# Altium PCB Board.PcbDoc (part 8 of 8)
Units mil, origin at the board's own origin, x right, y up, seen from the top; angles counter-clockwise.
Board outline 2740.16 x 1181.1 mil, 6 copper layers (Top Layer, Int1 (GND), Int2 (Sign), Int3 (Sign), Int4 (PWR), Bottom Layer), stack 60.567 mil thick; 167 components, 261 nets, 1353 pads, 681 vias.
Unrouted connection lines stored in the file: 23.
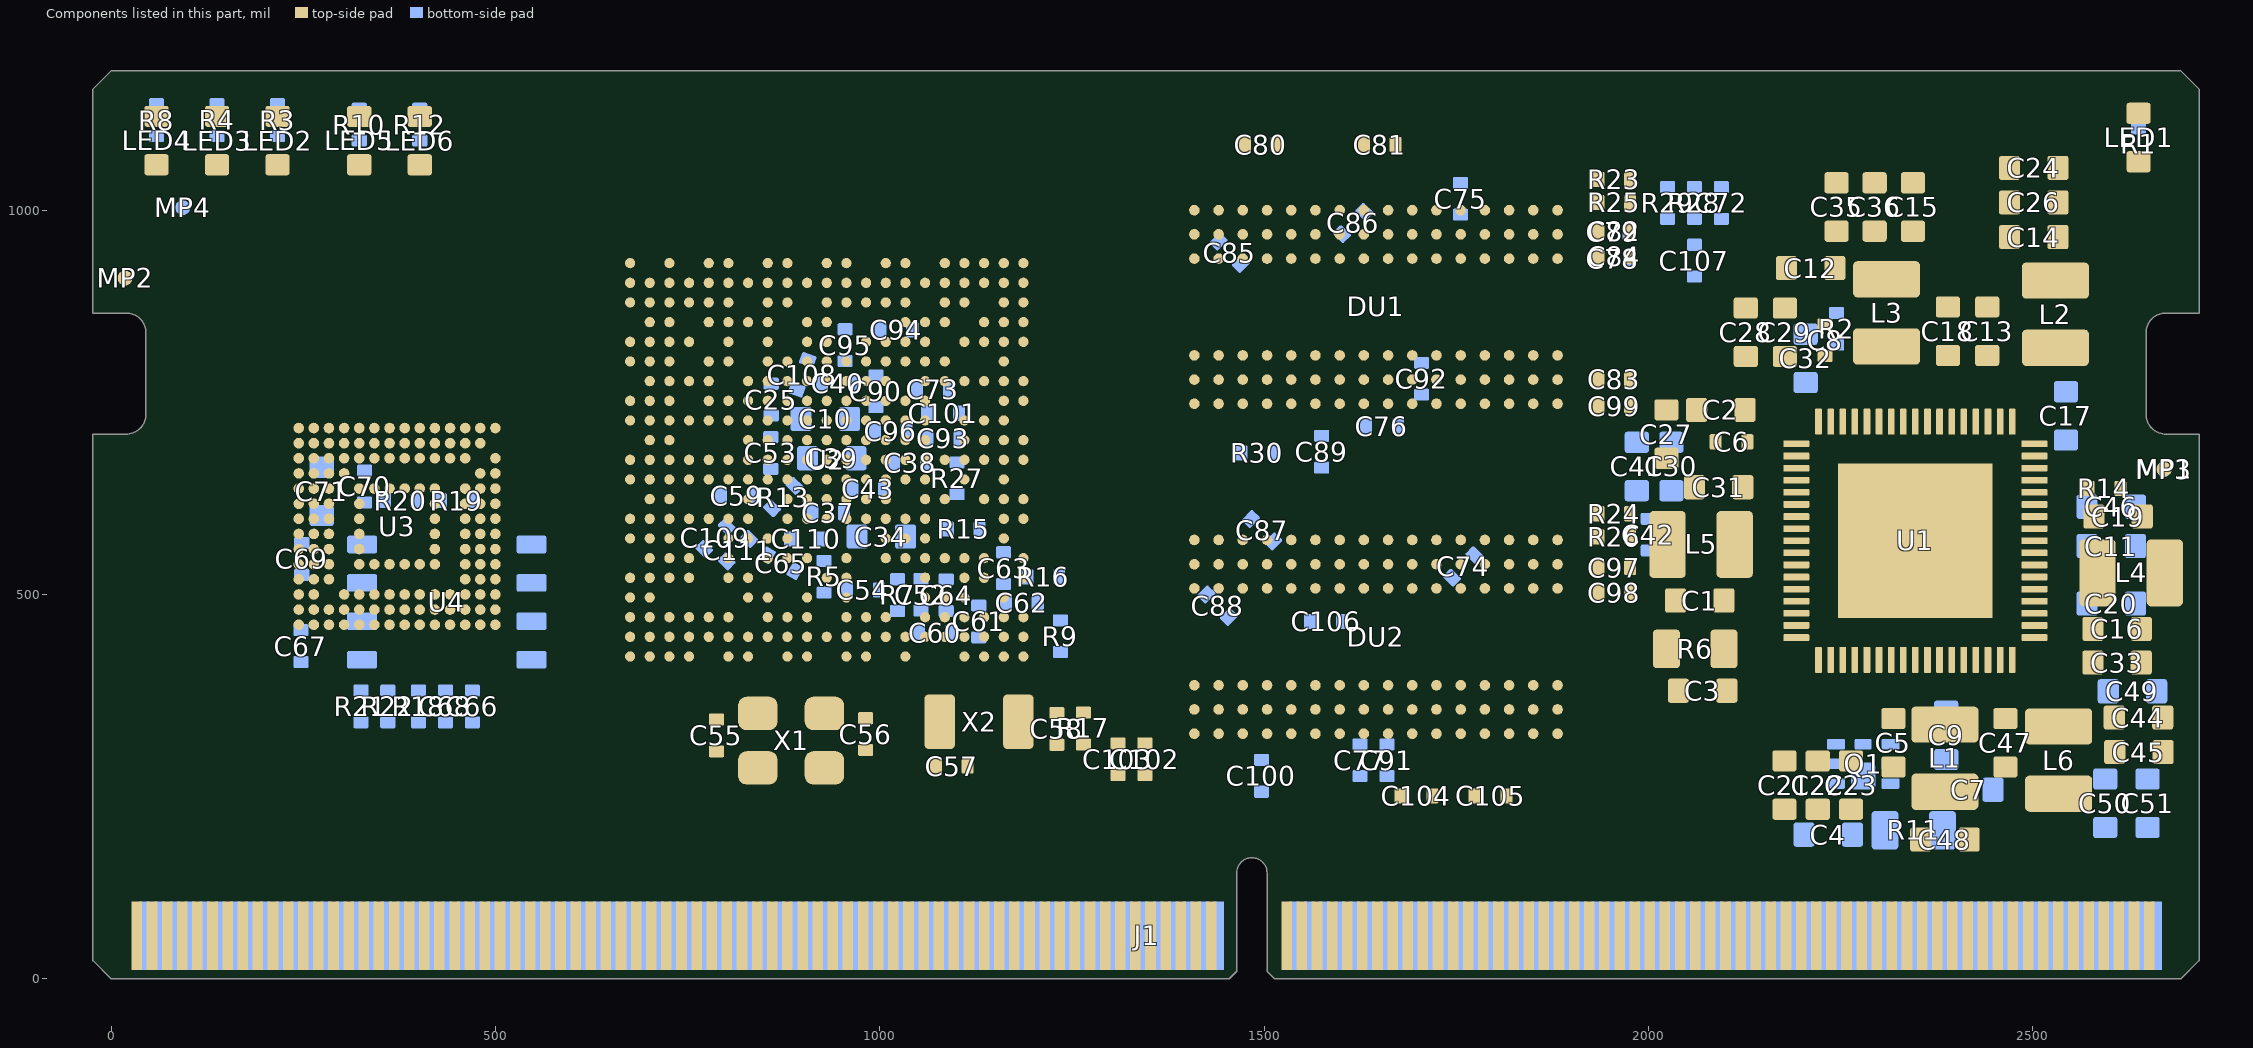
[diagram p12: the components of this part, seen from the top]

## Silkscreen, mask and mechanical layers (free items; w line width, h text height) (continued)
Note (Mech16):
  text "Lucky Star H3" at 5,1854.09 h100
  text "Designed by TheSnowfield. Best thanks to Angelic47" at 0,1659.1 h70
  text "Konata Project (C) 2022" at 0,1402.51 h70
  text "Wire Rules" at 1885,-305 h80
  text "DDR3 Wire Plan" at 5,-320 h80
  text "Impedance" at 1880.82,-453.95 h39.37
  text "Value" at 2447.75,-453.95 h39.37
  text "Line Width" at 2935.94,-453.95 h39.37
  text "Line Clearance" at 3381.34,-453.95 h39.37
  text "Min Length" at 557.75,-468.95 h39.37
  text "Max Length" at 1045.94,-468.95 h39.37
  text "Name" at 0.82,-482.07 h39.37
  text "/" at 3379.34,-567.49 h39.37
  text "Single-Ended" at 1878.82,-580.61 h39.37
  text "55 Ohm" at 2445.75,-580.61 h39.37
  text "4.99 mil" at 2933.94,-580.61 h39.37
  text "1300 mil" at 560.75,-590.61 h39.37
  text "/" at 1048.94,-590.61 h39.37
  text "CK" at 3.82,-602.17 h39.37
  text "Diff-Wires" at 1878.82,-699.34 h39.37
  text "100 Ohm" at 2445.75,-699.34 h39.37
  text "4.29 mil" at 2933.94,-699.34 h39.37
  text "6.00 mil" at 3379.34,-699.34 h39.37
  text "Ax" at -1.18,-714.34 h39.37
  text "700 mil" at 555.75,-714.34 h39.37
  text "1900 mil" at 1043.94,-714.34 h39.37
  text "BAx" at -1.18,-834.34 h39.37
  text "700 mil" at 555.75,-834.34 h39.37
  text "1900 mil" at 1043.94,-834.34 h39.37
  text "CAS" at -1.18,-954.34 h39.37
  text "700 mil" at 555.75,-954.34 h39.37
  text "1900 mil" at 1043.94,-954.34 h39.37
  text "Stackup Structure" at 1880,-968.34 h80
  text "RAS" at -1.18,-1069.34 h39.37
  text "700 mil" at 555.75,-1069.34 h39.37
  text "1900 mil" at 1043.94,-1069.34 h39.37
  text "JLC06121H-3313 (2313)" at 1875,-1100 h55
  text "WE" at -1.18,-1174.34 h39.37
  text "700 mil" at 555.75,-1174.34 h39.37
  text "1900 mil" at 1043.94,-1174.34 h39.37
  text "CSx" at -1.18,-1289.34 h39.37
  text "700 mil" at 555.75,-1289.34 h39.37
  text "1900 mil" at 1043.94,-1289.34 h39.37
  text "Thickness" at 2505,-1290 h39.37
  text "Layer Name" at 1890,-1291.88 h39.37
  text "ODTx" at -1.18,-1404.34 h39.37
  text "700 mil" at 555.75,-1404.34 h39.37
  text "1900 mil" at 1043.94,-1404.34 h39.37
  text "[1] Top" at 1900,-1411.88 h39.37
  text "1.378 mil" at 2514.27,-1430 h39.37
  text "CKEx" at -1.18,-1519.34 h39.37
  text "700 mil" at 555.75,-1519.34 h39.37
  text "1900 mil" at 1043.94,-1519.34 h39.37
  text "Prepreg" at 1895,-1546.76 h39.37
  text "3.913 mil" at 2514.27,-1562.27 h39.37
  text "DQSx" at -1.18,-1632.78 h39.37
  text "500 mil" at 555.75,-1632.78 h39.37
  text "2100 mil" at 1043.94,-1632.78 h39.37
  text "[2] GND" at 1900,-1678.53 h39.37
  text "0.598 mil" at 2514.27,-1694.55 h39.37
  text "1150 mil" at 560.75,-1734.34 h39.37
  text "/" at 1048.94,-1734.34 h39.37
  text "SDQS0" at 3.82,-1739.34 h39.37
  text "Core" at 1895,-1800.29 h39.37
  text "21.654 mil" at 2514.27,-1826.82 h39.37
  text "1100 mil" at 555.75,-1854.34 h39.37
  text "1200 mil" at 1043.94,-1854.34 h39.37
  text "SDQ0~7" at -1.18,-1857.62 h39.37
  text "[3] Signal" at 1900,-1945.18 h39.37
  text "0.598 mil" at 2514.27,-1959.09 h39.37
  text "SDQM0" at -1.18,-1969.34 h39.37
  text "1100 mil" at 555.75,-1969.34 h39.37
  text "1200 mil" at 1043.94,-1969.34 h39.37
  text "Prepreg" at 1895,-2080.06 h39.37
  text "900 mil" at 560.75,-2084.34 h39.37
  text "/" at 1048.94,-2084.34 h39.37
  text "SDQS1" at 3.82,-2089.34 h39.37
  text "2.142 mil" at 2514.27,-2091.36 h39.37
  text "850 mil" at 555.75,-2204.34 h39.37
  text "950 mil" at 1043.94,-2204.34 h39.37
  text "SDQ8~15" at -1.18,-2207.62 h39.37
  text "Prepreg" at 1895,-2214.94 h39.37
  text "2.142 mil" at 2514.27,-2223.64 h39.37
  text "SDQM1" at -1.18,-2319.34 h39.37
  text "850 mil" at 555.75,-2319.34 h39.37
  text "950 mil" at 1043.94,-2319.34 h39.37
  text "0.598 mil" at 2519.27,-2355.91 h39.37
  text "[4] Signal" at 1905,-2359.82 h39.37
  text "1000 mil" at 560.75,-2419.34 h39.37
  text "/" at 1048.94,-2419.34 h39.37
  text "SDQS2" at 3.82,-2424.34 h39.37
  text "Core" at 1905,-2481.59 h39.37
  text "21.654 mil" at 2524.27,-2488.18 h39.37
  text "950 mil" at 555.75,-2539.34 h39.37
  text "1050 mil" at 1043.94,-2539.34 h39.37
  text "SDQ16~23" at -1.18,-2542.62 h39.37
  text "[5] PWR" at 1910,-2613.35 h39.37
  text "0.598 mil" at 2524.27,-2620.45 h39.37
  text "SDQM2" at -1.18,-2654.34 h39.37
  text "950 mil" at 555.75,-2654.34 h39.37
  text "1050 mil" at 1043.94,-2654.34 h39.37
  text "Prepreg" at 1905,-2748.24 h39.37
  text "3.913 mil" at 2524.27,-2752.73 h39.37
  text "550 mil" at 560.75,-2764.34 h39.37
  text "/" at 1048.94,-2764.34 h39.37
  text "SDQS3" at 3.82,-2769.34 h39.37
  text "[6] Bottom" at 1910,-2880 h39.37
  text "500 mil" at 555.75,-2884.34 h39.37
  text "600 mil" at 1043.94,-2884.34 h39.37
  text "1.378 mil" at 2524.27,-2885 h39.37
  text "SDQ24~31" at -1.18,-2887.62 h39.37
  text "SDQM3" at -1.18,-2999.34 h39.37
  text "500 mil" at 555.75,-2999.34 h39.37
  text "600 mil" at 1043.94,-2999.34 h39.37

## Text inside footprints (layer, text, board x,y; h text height)
U2: Top Paste "1 2 3 4 5 6 7 8 9 0 1 2 3 4 5 6 7 8 9 0 1" at 635.2,414.29 h12.99 r90; Top Paste "A B C D E F G H J K L M N P R T U V W Y AA" at 670.2,364.29 h12.87